# Altium PCB EL6905.PcbDoc (part 1 of 2) (continued)
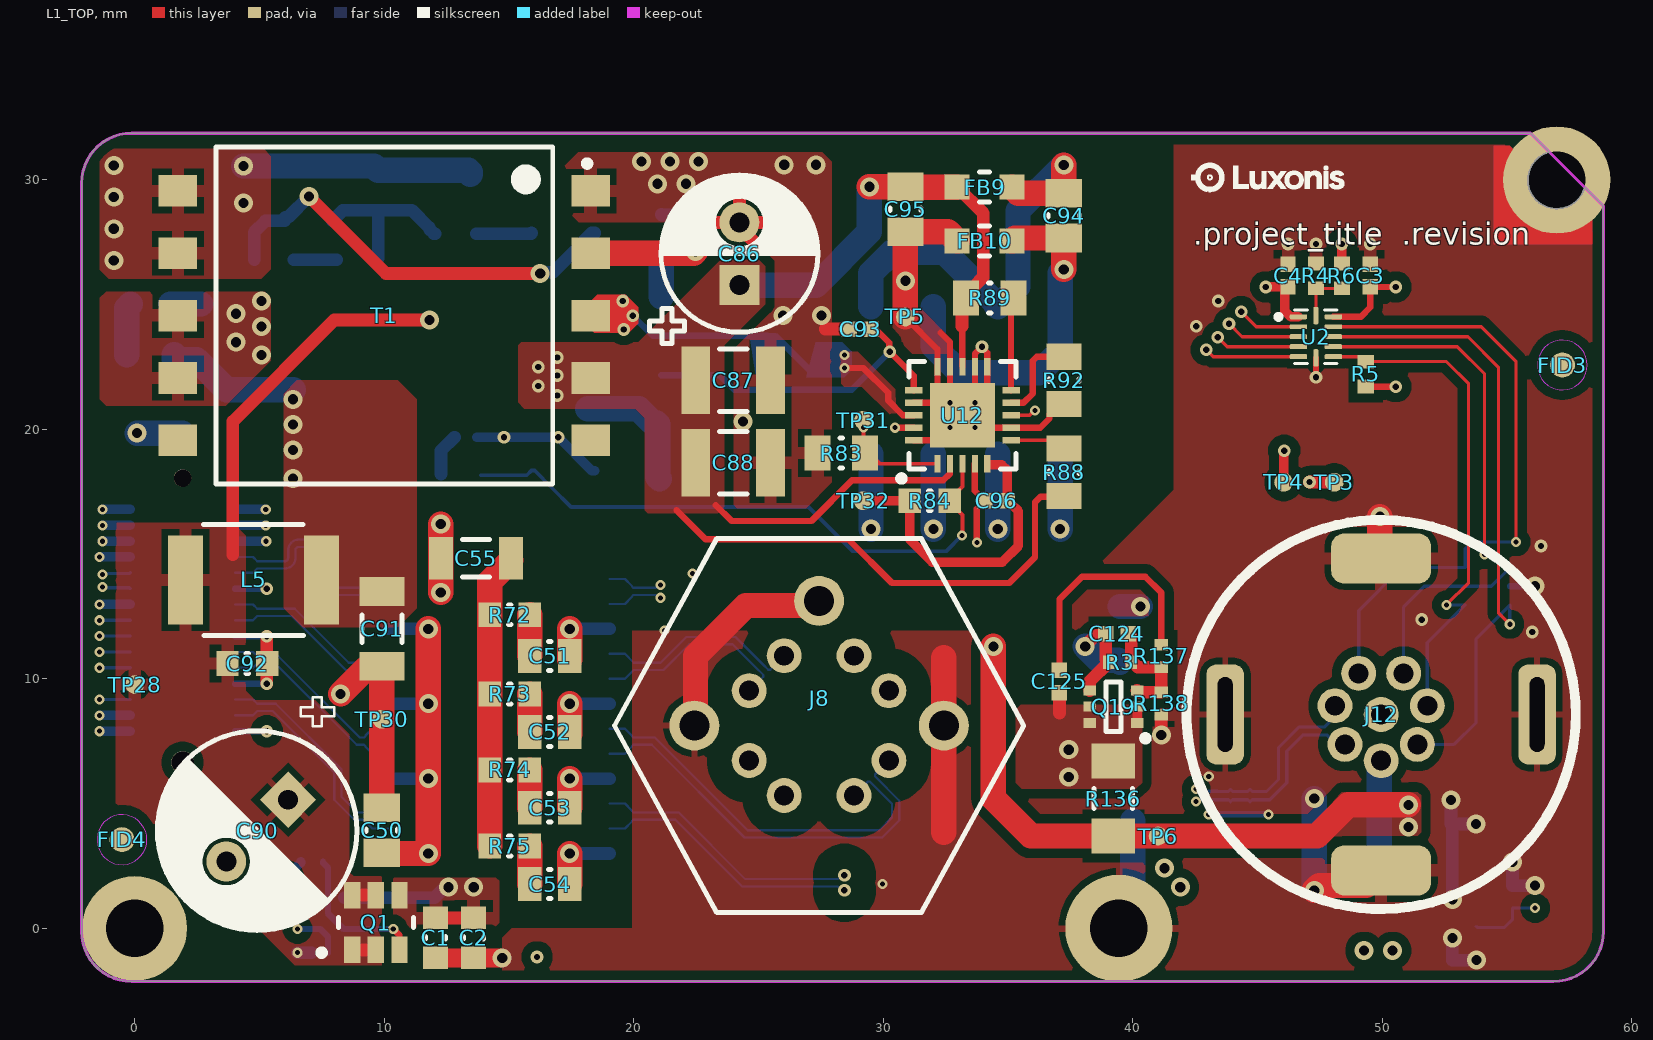
[diagram p0: L1_TOP view]
## Components (designator, comment, footprint, x,y, rotation, side; value= is the part's Value field where it differs from the comment)
C1 "GRM188R61A226ME15D" CAPC0603(1608)100_N 12.065,-0.381 r90 top value=22µF
C2 "GRM188R61A226ME15D" CAPC0603(1608)100_N 13.589,-0.381 r90 top value=22µF
C3 "CL05B104KO5NFNC" CAPC0402(1005)60_N 49.53,26.162 r90 top value=100nF
C4 "CL05B104KO5NFNC" CAPC0402(1005)60_N 46.228,26.162 r270 top value=100nF
C50 "CL21B104KCFNNNE" CAPC0805(2012)145_N 9.906,3.937 r270 top value=100nF
C51 "C0805C223M1RACAUTO" CAPC0805(2012)145_L 16.637,10.922 r0 top value=22nF
C52 "C0805C223M1RACAUTO" CAPC0805(2012)145_L 16.637,7.874 r0 top value=22nF
C53 "C0805C223M1RACAUTO" CAPC0805(2012)145_L 16.637,4.84 r0 top value=22nF
C54 "C0805C223M1RACAUTO" CAPC0805(2012)145_L 16.637,1.778 r0 top value=22nF
C55 "C1206C102KGRACTU" CAPC1206(3216)130_L 13.681,14.834 r0 top value=1nF
C84 "1nF 1206" CAPC1206(3216)190_N 13.366,22.856 r90 bottom
C85 "0.1UF 0805" CAPC0805(2012)145_N 21.864,20.062 r180 bottom
C86 "12uF 6.3mm" EEU-FC2A120 24.241,27.047 r90 top
C87 "1uF 1210" CAPC1210(3225)280_N 23.987,21.967 r180 top
C88 "1uF 1210" CAPC1210(3225)280_N 23.987,18.665 r180 top
C89 "1nF 0603 C0G" CAPC0603(1608)100_N 0.635,25.019 r0 bottom
C90 "ECA-0JM102" ECA-0JM102 4.909,3.919 r225 top value=1mF
C91 "100uF 1206" CAPC1206(3216)190_N 9.906,12.005 r90 top
C92 "22NF 0603" CAPC0603(1608)100_N 4.521,10.617 r180 top
C93 "1uF 0402" CAPC0402(1005)70_N 29.083,24.022 r0 top
C94 "0.1UF 0805" CAPC0805(2012)145_N 37.242,28.571 r90 top
C95 "0.1UF 0805" CAPC0805(2012)145_N 30.892,28.825 r90 top
C96 "0.1uF 0402" CAPC0402(1005)60_N 34.528,17.141 r0 top
C97 "10nF 0402" CAPC0402(1005)60_N 13.266,19.685 r180 bottom
C98 "GRM1885C1H222JA01D" CAPC0603(1608)100_N 5.588,26.797 r0 bottom value=2.2nF
C99 "1nF 1206" CAPC1206(3216)190_N 14.946,30.222 r180 bottom
C119 "GRM155R61E105KA12D" CAPC0402(1005)70_N 52.366,-1.27 r180 bottom value=1µF
C120 "C1210C107M8PACTU" FP-C1210C107M8PACTU-MFG 48.581,3.298 r180 bottom value=100µF
C121 "0.1uF 0402" CAPC0402(1005)70_N 52.308,4.187 r180 bottom
C124 "GRM155R61E105KA12D" CAPC0402(1005)70_N 39.37,11.811 r180 top value=1µF
C125 "CL05B104KO5NFNC" CAPC0402(1005)60_N 37.068,9.902 r270 top value=100nF
D1 "PESD5V0L4UG,115" PESD3V3L4UG,115 54.229,13.716 r180 bottom
D5 "CD-HD01" CD-H01 30.765,21.967 r180 bottom
D6 "CD-HD01" CD-H01 35.845,21.967 r180 bottom
D9 "PDS1040" PDS1040-13 8.763,20.828 r90 bottom
D10 "RS1B" RS1B 26.447,20.951 r90 bottom
D11 "1N4148W" 1N4148W-7-F 21.113,23.745 r90 bottom
D15 "TPD4EUSB30DQAR" TPD4EUSB30DQAR 44.314,4.572 r270 bottom
D20 "SD05-01FTG" SD05-01FTG-Footprint-1 39.497,12.903 r270 bottom
FB9 "700R/150Mhz" 742792040 34.067,29.714 r180 top
FB10 "700R/150Mhz" 742792040 34.067,27.555 r180 top
FID1 "FIDUCIAL_ROUND_1MM" FIDUCIAL_ROUND_1MM 53.086,28.829 r90 bottom
FID2 "FIDUCIAL_ROUND_1MM" FIDUCIAL_ROUND_1MM 3.658,-0.533 r90 bottom
FID3 "FIDUCIAL_ROUND_1MM" FIDUCIAL_ROUND_1MM 57.226,22.581 r90 top
FID4 "FIDUCIAL_ROUND_1MM" FIDUCIAL_ROUND_1MM -0.508,3.556 r90 top
J1 "55091-0374" CON_550910374 4.02,7.905 r90 bottom
J7 "749022310" 749022310 14.589,8.505 r270 bottom locked
J8 "12X-3103-08C" 12X-3103-08C 27.432,8.129 r180 top
J12 "08-3203-08-xxx" 08-3203-08-XXX 49.961,8.575 r180 top locked
L5 "1uH 2.9A" DO1608C-102MLx 4.763,13.97 r180 top
Q1 "IRLTS2242TRPBF" TSOP-6-MFG 9.667,0.236 r90 top
Q19 "NTJS4151PT1G" ONSC-SC70-6-419B-02_W_V 39.227,8.886 r180 top
R1 "ERJ8GEY0R00V" RESC3116X70X50ML13T20 44.552,-0.356 r0 bottom value=0
R2 "RC0402FR-07100KL" RESC0402(1005)_L 7.097,2.681 r180 bottom value=100k
R3 "RC0402FR-07100KL" RESC0402(1005)_L 39.497,10.668 r180 top value=100k
R4 "RC0402FR-1310KL" RESC0402(1005)_N 47.348,26.154 r90 top value=10k
R5 "RC0402FR-074K7L" RESC0402(1005)_N 49.348,22.217 r90 top value=4.7k
R6 "RC0402FR-1310KL" RESC0402(1005)_N 48.387,26.154 r90 top value=10k
R72 "ERJ-UP3F75R0V" RESC0603(1608)_N 15.037,12.573 r0 top value=75
R73 "ERJ-UP3F75R0V" RESC0603(1608)_N 15.037,9.398 r0 top value=75
R74 "ERJ-UP3F75R0V" RESC0603(1608)_N 15.037,6.35 r0 top value=75
R75 "ERJ-UP3F75R0V" RESC0603(1608)_N 15.037,3.302 r0 top value=75
R80 "18K 0603" RESC0603(1608)_N 21.837,18.03 r180 bottom
R81 "6.8R 0805" RESC0805(2012)_N 0.635,22.987 r0 bottom
R82 "10R 0603" RESC0603(1608)_N 21.113,27.813 r90 bottom
R83 "0.62R 0805" RESC0805(2012)_N 28.321,19.05 r180 top
R84 "4.99k 0603" RESC0603(1608)_N 31.861,17.141 r180 top
R85 "2.05k 0603" RESC0603(1608)_N 13.7,27.047 r270 bottom
R86 "0R 0603" RESC0603(1608)_N 13.081,18.161 r0 bottom
R87 "0R 0603" RESC0603(1608)_N 8.89,26.797 r180 bottom
R88 "24.3k 0805" RESC0805(2012)_N 37.242,18.284 r90 top
R89 "88.7K 0805" RESC0805(2012)_N 34.274,25.269 r0 top
R90 "36.5k 0603" RESC0603(1608)_N 12.049,27.047 r270 bottom
R91 "12.1k 0603" RESC0603(1608)_N 9.763,29.587 r270 bottom
R92 "48.7R 0805" RESC0805(2012)_N 37.242,21.967 r90 top
R106 "RC0402FR-07100KL" RESC0402(1005)_L 55.229,1.266 r90 bottom value=100k
R136 "ERJ8GEY0R00V" RESC3116X70X50ML13T20 39.227,5.203 r90 top value=0
R137 "CRCW0402470RFKED" RESC0402(1005)_L 41.148,10.922 r90 top value=470
R138 "ERJ-2RKF1782X" RESC0402(1005)_L 41.148,9.017 r90 top value=17.8k
T1 "749119950" 749119950 10.008,24.562 r270 top
TP1 "TP100_200_NS" TP075_150_NS 12.573,-0.762 r90 bottom
TP2 "TP100_200_NS" TP075_150_NS 43.052,1.956 r90 bottom
TP3 "TP100_200_NS" TP075_150_NS 48.082,17.882 r90 top
TP4 "TP100_200_NS" TP075_150_NS 46.05,17.882 r90 top
TP5 "TP100_200_NS" TP075_150_NS 30.892,24.507 r90 top
TP6 "TP100_200_NS" TP075_150_NS 41.021,3.703 r90 top
TP27 "TP100_200_NS" TP075_150_NS 26.527,25.777 r180 bottom
TP28 "TP100_200_NS" TP075_150_NS 0,9.775 r180 top
TP29 "TP100_200_NS" TP075_150_NS 23.399,22.221 r180 bottom
TP30 "TP100_200_NS" TP075_150_NS 9.906,8.382 r180 top
TP31 "TP100_200_NS" TP075_150_NS 29.21,20.371 r90 top
TP32 "TP100_200_NS" TP075_150_NS 29.194,17.141 r90 top
TP33 "TP100_200_NS" TP075_150_NS 26.527,28.19 r180 bottom
U1 "LM66100DCKR" LM66100DCKR 7.747,0.127 r90 bottom
U2 "LSF0204DRUTR" LSF0204DRUTR 47.348,23.716 r0 top
U12 "SI3404-A-GM" Si3404-A-GM 33.178,20.57 r90 top
U13 "VO618A-3X017T" VO618A-3X017T 17.176,23.11 r270 bottom
U14 "TLV431" TLV431BCDBZR 6.969,29.46 r90 bottom
U23 "AP22814AW5-7" AP22814AW5-7-Footprint-1 52.816,1.266 r270 bottom

## Footprints (in the part's own frame and the unit in brackets; to place one, negate y for a bottom-side part, rotate by r counter-clockwise, add the part's x,y. Pads: shape width x height; smd on the part's side, far side on the other; paste and mask are expansions set on the pad)
1N4148W-7-F [mm] "SOD123, 2-Leads, Body 2.7x1.55mm, Height 1.45mm"
  rect 0.9x0.95 smd: 1(-1.575,0) 2(1.575,0)
  silkscreen extent -2.4,-0.87 0,0.87, body extent -1.35,-0.77 1.35,0.77, height 1.45
08-3203-08-XXX [mm]
  round 1.4 hole 0.8 paste-10 mask+0.05: 1(-0.9,-1.65) 2(0.9,-1.65) 3(1.85,-0.35) 4(1.45,1.2) 5(0,1.85) 6(-1.45,1.2) 7(-1.85,-0.35) 8(0,0)
  rrect50% 4x2 smd paste-10 mask+0.05: 9(0,6.25) 11(0,-6.25)
  rrect50% 1.5x4 hole 0.6 slot 3 at 90 deg paste-10 mask+0.05: 10(6.25,0) 12(-6.25,0)
  silkscreen extent -7.8,-7.8 7.8,7.8, body extent -6.4,-6.4 6.4,6.4, height 15.53
12X-3103-08C [mm]
  round 1.4 hole 0.8 paste-10 mask+0.05: 1(-1.4,-2.8) 2(-2.8,-1.4) 3(-2.8,1.4) 4(-1.4,2.8) 5(1.4,2.8) 6(2.8,1.4) 7(2.8,-1.4) 8(1.4,-2.8)
  round 2 hole 1.2 paste-10 mask+0.05: 9(-5,0) 9(0,-5) 9(5,0)
  silkscreen extent -8.2,-7.5 8.2,7.5, body extent -8.25,-7.5 8.25,7.5, height 2.15
742792040 [mm] "Chip Inductor, 2-Leads, Body 2.0x1.2mm"
  rect 1x1 smd: 1(-1.1,0) 2(1.1,0)
  silkscreen extent -0.2,-0.6 0.2,0.6, body extent -1,-0.6 1,0.6, height 0.89
749022310 [mm] "SMT Transformer, body 16.5x10.3mm"
  rect 0.64x1.88 smd: 1(5.5,4.445) 2(4.5,4.445) 3(3.5,4.445) 4(2.5,4.445) 5(1.5,4.445) 6(0.5,4.445) 7(-0.5,4.445) 8(-1.5,4.445) 9(-2.5,4.445) 10(-3.5,4.445) 11(-4.5,4.445) 12(-5.5,4.445) 13(-5.5,-4.445) 14(-4.5,-4.445) 15(-3.5,-4.445) 16(-2.5,-4.445) 17(-1.5,-4.445) 18(-0.5,-4.445) 19(0.5,-4.445) 20(1.5,-4.445) 21(2.5,-4.445) 22(3.5,-4.445) 23(4.5,-4.445) 24(5.5,-4.445)
  silkscreen extent -8.37,-5.28 8.37,5.28, body extent -8.25,-5.15 8.25,5.15, height 4.1
749119950 [mm] "SMD, 10-Leads, Body 13.5x14.0mm (max), Pitch 2.48mm, IPC Medium Density"
  rect 1.27x1.55 smd: 1(-5,8.275) 2(-2.5,8.275) 3(0,8.275) 4(2.5,8.275) 5(5,8.275) 6(5,-8.275) 7(2.5,-8.275) 8(0,-8.275) 9(-2.5,-8.275) 10(-5,-8.275)
  silkscreen extent -6.75,-6.75 6.75,8.25, body extent -6.75,-8.88 6.75,8.87, height 12.6
AP22814AW5-7-Footprint-1 [mm]
  rrect14% 1.24x0.55 smd: 1(-1.185,0.95) 2(-1.185,0) 3(-1.185,-0.95) 4(1.185,-0.95) 5(1.185,0.95)
  silkscreen extent -1.6,-1.45 0.8,1.85, body extent -1.55,-1.48 1.64,1.42, height 0.94
CAPC0402(1005)60_N [mm] "Chip Capacitor, Body 1.0x0.5mm, Height 0.6mm, IPC Medium Density"
  rect 0.62x0.62 smd: 1(-0.45,0) 2(0.45,0)
  body extent -0.55,-0.3 0.55,0.3, height 0.6
CAPC0402(1005)70_N [mm] "Chip Capacitor, Body 1.0x0.5mm, Height 0.7mm, IPC Medium Density"
  rect 0.62x0.62 smd: 1(-0.45,0) 2(0.45,0)
  body extent -0.55,-0.3 0.55,0.3, height 0.7
CAPC0603(1608)100_N [mm] "Chip Capacitor, Body 1.6x0.8mm, Height 1.0mm, IPC Medium Density"
  rect 0.9x1 smd: 1(-0.8,0) 2(0.8,0)
  silkscreen extent -0.05,-0.4 0.05,0.4, body extent -0.87,-0.48 0.88,0.47, height 1
CAPC0805(2012)145_L [mm] "Chip Capacitor, Body 2.0x1.2mm, Height 1.45mm, IPC High Density"
  rect 0.95x1.35 smd: 1(-0.8,0) 2(0.8,0)
  silkscreen extent -0.05,-0.58 0.05,0.58, body extent -1.1,-0.72 1.1,0.72, height 1.45
CAPC0805(2012)145_N [mm] "Chip Capacitor, Body 2.0x1.2mm, Height 1.45mm, IPC Medium Density"
  rect 1.15x1.45 smd: 1(-0.9,0) 2(0.9,0)
  silkscreen extent -0.05,-0.62 0.05,0.63, body extent -1.1,-0.72 1.1,0.73, height 1.45
CAPC1206(3216)130_L [mm] "Chip Capacitor, Body 3.2x1.6mm, Height 1.3mm, IPC High Density"
  rect 0.95x1.7 smd: 1(-1.4,0) 2(1.4,0)
  silkscreen extent -0.55,-0.75 0.55,0.75, body extent -1.7,-0.9 1.7,0.9, height 1.3
CAPC1206(3216)190_N [mm] "Chip Capacitor, Body 3.2x1.6mm, Height 1.9mm, IPC Medium Density"
  rect 1.15x1.8 smd: 1(-1.5,0) 2(1.5,0)
  silkscreen extent -0.55,-0.8 0.55,0.8, body extent -1.7,-0.9 1.7,0.9, height 1.9
CAPC1210(3225)280_N [mm] "Chip Capacitor, Body 3.2x2.5mm, Height 2.8mm, IPC Medium Density"
  rect 1.15x2.7 smd: 1(-1.5,0) 2(1.5,0)
  silkscreen extent -0.55,-1.25 0.55,1.25, body extent -1.7,-1.4 1.7,1.4, height 2.8
CD-H01 [mm] "2 mm SMD Trimming Potentiometer  Specifications are subject to change without notice.  Users should verify actual device performance in their specific applications.  The products described herein and this document are subject to specific legal disclaimers as set forth on the last page of this document, and at www.bourns.com/docs/legal/disclaimer.pdf.  CD-HD0x Series Surface Mount Schottky Bridge Rectifier Diode"
  rect 1.2x1.2 smd: 1(1.25,2.95) 2(1.25,-2.95) 3(-1.25,-2.95) 4(-1.25,2.95)
  silkscreen extent -2.35,-3.08 2.43,3.53, body extent -2.37,-3.08 2.37,3.08, height 1.14
CON_550910374 [mm]
  rect 0.35x1.8 smd paste+0 mask+0.076: 1(0,0) 2(0.635,0) 3(1.27,0) 4(1.905,0) 5(2.54,0) 6(3.175,0) 7(3.81,0) 8(4.445,0) 9(5.08,0) 10(5.715,0) 11(6.35,0) 12(6.985,0) 13(7.62,0) 14(8.255,0) 15(8.89,0) 16(8.89,-4.2) 17(8.255,-4.2) 18(7.62,-4.2) 19(6.985,-4.2) 20(6.35,-4.2) 21(5.715,-4.2) 22(5.08,-4.2) 23(4.445,-4.2) 24(3.81,-4.2) 25(3.175,-4.2) 26(2.54,-4.2) 27(1.905,-4.2) 28(1.27,-4.2) 29(0.635,-4.2) 30(0,-4.2)
  round 0.9 hole 0.9 unplated mask+0.076: C1(-1.255,-2.1)
  round 0.7 hole 0.7 unplated mask+0.076: C2(10.145,-2.1)
  rect 2.5x2 smd paste+0 mask+0.076: P1(-3.055,-2.1) P2(11.945,-2.1)
  silkscreen extent -3.75,-4.7 12.64,0.5, body extent -3.75,-4.7 12.64,0.5, height 5.01
DO1608C-102MLx [mm] "Coil inductor 6.6x4.45mm"
  rect 1.4x3.56 smd: 1(-2.73,0) 2(2.73,0)
  silkscreen extent -2.01,-2.22 2.01,2.22, body extent -3.3,-2.22 3.3,2.23, height 2.92
ECA-0JM102 [mm] "Body diameter: 8mm, lead pitch: 3.5mm"
  rect 1.6x1.6 / inner round 1.6 / far side rect 1.6x1.6 hole 0.8 mask+0.05: 1(-1.75,0)
  round 1.6 hole 0.8 mask+0.05: 2(1.75,0)
  silkscreen extent -4,-4 4,4, body extent -4,-4 4,4, height 16
EEU-FC2A120 [mm] "Body diameter: 6.3mm, lead pitch: 2.5mm"
  rect 1.6x1.6 / inner round 1.6 / far side rect 1.6x1.6 hole 0.8 mask+0.05: 1(-1.25,0)
  round 1.6 hole 0.8 mask+0.05: 2(1.25,0)
  silkscreen extent -3.6,-3.15 3.15,3.6, body extent -3.15,-3.15 3.15,3.15, height 12
FIDUCIAL_ROUND_1MM [mm] "Round, 1mm dia"
  round 1 smd paste-1 mask+0.5: 1(0,0)
  L1_TOP keep-out circle w0.025: c0,0 r1
FP-C1210C107M8PACTU-MFG [mm]
  rect 1.2x2.7 smd paste+0 mask+0: 1(-1.3,0) 2(1.3,0)
  silkscreen extent -0.33,-1.4 0.33,1.4, body extent -1.6,-1.25 1.6,1.25, height 2.8
LM66100DCKR [mm] "SOT23, 6-Leads, Body 2.00x2.10mm, Pitch 0.65mm, IPC Medium Density"
  rect 0.85x0.35 smd: 1(-1.1,0.65) 2(-1.1,0) 3(-1.1,-0.65) 4(1.1,-0.65) 5(1.1,0) 6(1.1,0.65)
  silkscreen extent -1.22,-1.1 0.3,1.5, body extent -1.2,-1.07 1.2,1.07, height 1.1
LSF0204DRUTR [mm]
  rrect50% 0.7x0.2 smd mask+0.06: 1(-0.7,0.8) 2(-0.7,0.4) 3(-0.7,0) 4(-0.7,-0.4) 5(-0.7,-0.8) 7(0.7,-0.8) 8(0.7,-0.4) 9(0.7,0) 10(0.7,0.4) 11(0.7,0.8)
  rrect50% 0.2x0.7 smd mask+0.06: 6(0,-0.85) 12(0,0.85)
  silkscreen extent -1.6,-1.07 0.85,1.07, body extent -0.85,-1 0.85,1, height 0.55
ONSC-SC70-6-419B-02_W_V [mm] "SOT23, 6-Leads, Body 2x1.25mm, Pitch 0.65mm"
  rect 0.5x0.4 smd: 1(-0.95,0.65) 2(-0.95,0) 3(-0.95,-0.65) 4(0.95,-0.65) 5(0.95,0) 6(0.95,0.65)
  silkscreen extent -1.41,-1 0.3,1.39, body extent -1.05,-1 1.05,1, height 1.08
PDS1040-13 [mm] "Powerdi5 Diodes"
  rect 4.86x3.36 smd: 1(-1.126,0)
  rect 1.4x1.39 smd: 2(2.856,-0.92) 2(2.856,0.92)
  silkscreen extent -3.9,-1.68 -3.9,1.68, body extent -3.25,-1.98 3.25,1.99, height 1.12
PESD3V3L4UG,115 [mm] "5-TSSOP, SC-88, SOT-363"
  rect 0.6x0.6 smd mask+0.076: 1(-0.9,0.75) 3(-0.9,-0.75) 4(0.9,-0.75) 5(0.9,0.75)
  rect 0.6x0.4 smd mask+0.076: 2(-0.9,0)
  silkscreen extent -1.03,-1.08 0.25,1.57, body extent -1.1,-0.99 1.1,0.99, height 0.99
RESC0402(1005)_L [mm] "Chip Resistor, Body 1.0x0.5mm, IPC High Density"
  rect 0.45x0.55 smd: 1(-0.45,0) 2(0.45,0)
  body extent -0.52,-0.27 0.53,0.28, height 0.4
RESC0402(1005)_N [mm] "Chip Resistor, Body 1.0x0.5mm, IPC Medium Density"
  rect 0.55x0.65 smd: 1(-0.5,0) 2(0.5,0)
  body extent -0.52,-0.27 0.53,0.28, height 0.4
RESC0603(1608)_N [mm] "Chip Resistor, Body 1.6x0.8mm, IPC Medium Density"
  rect 0.9x1 smd: 1(-0.8,0) 2(0.8,0)
  silkscreen extent -0.05,-0.4 0.05,0.4, body extent -0.85,-0.47 0.85,0.47, height 0.6
RESC0805(2012)_N [mm] "Chip Resistor, Body 2.0x1.3mm, IPC Medium Density"
  rect 1.05x1.4 smd: 1(-0.95,0) 2(0.95,0)
  silkscreen extent -0.05,-0.6 0.05,0.6, body extent -1.1,-0.67 1.1,0.68, height 0.7
RESC3116X70X50ML13T20 [mm] "Chip Resistor, 2-Leads, Body 3.25x1.65mm, IPC Low Density"
  rect 1.4x1.75 smd: 1(-1.5,0) 2(1.5,0)
  silkscreen extent -0.4,-0.77 0.4,0.77, body extent -1.63,-0.82 1.63,0.82, height 0.7
RS1B [mil] "Molded Diode, 2-Leads, Body 4.30x2.59mm, IPC Medium Density"
  rect 70x85 smd: 1(-80,0) 2(80,0)
  silkscreen extent -130,-59 91,59, body extent -102,-54 102,54, height 106
SD05-01FTG-Footprint-1 [mil]
  rect 46x16 smd paste+0 mask+0: 1(0,0) 2(88,0)
  silkscreen extent 1,-34 86,34, body extent -9,-29 97,29, height 45
Si3404-A-GM [mm] "QFN, 20-Leads, Body 4.00x4.00mm, Pitch 0.50mm, Thermal Pad 2.60x2.60mm, IPC Medium Density"
  rect 0.7x0.25 smd: 1(-1.95,1) 2(-1.95,0.5) 3(-1.95,0) 4(-1.95,-0.5) 5(-1.95,-1) 11(1.95,-1) 12(1.95,-0.5) 13(1.95,0) 14(1.95,0.5) 15(1.95,1)
  rect 0.25x0.7 smd: 6(-1,-1.95) 7(-0.5,-1.95) 8(0,-1.95) 9(0.5,-1.95) 10(1,-1.95) 16(1,1.95) 17(0.5,1.95) 18(0,1.95) 19(-0.5,1.95) 20(-1,1.95)
  rect 2.6x2.6 smd paste-5: 21(0,0)
  silkscreen extent -2.66,-2.15 2.15,2.57, body extent -2,-2 2,2, height 0.9
TLV431BCDBZR [mm] "SOT-23-3"
  rrect18% 0.8x0.55 smd: 1(-1.1,0.95) 2(-1.1,-0.95) 3(1.1,0)
  silkscreen extent -1.22,-1.46 0.7,1.9, body extent -1.26,-1.46 1.26,1.46, height 0.96
TP075_150_NS [mm] "0.75mm dia pad, 1.5mm dia clearance, no silk screen"
  round 0.75 smd paste-2: 1(0,0)
TPD4EUSB30DQAR [mm] "TPD4EUSB30DQAR"
  rect 0.3x0.55 smd mask+0.05: 1(-1,-0.39) 2(-0.5,-0.39) 4(0.5,-0.39) 5(1,-0.39) 6(1,0.39) 7(0.5,0.39) 9(-0.5,0.39) 10(-1,0.39)
  rect 0.4x0.55 smd mask+0.05: 3(0,-0.39) 8(0,0.39)
  silkscreen extent -1.4,-1.01 1.4,0.5, body extent -1.2,-0.71 1.2,0.71, height 0.55
TSOP-6-MFG [mm]
  rect 1.06x0.65 smd: 1(-1.1,0.95) 2(-1.1,0) 3(-1.1,-0.95) 4(1.1,-0.95) 5(1.1,0) 6(1.1,0.95)
  silkscreen extent -1.33,-1.5 0.2,2.3, body extent -1.4,-1.45 1.4,1.45, height 1.45
VO618A-3X017T [mm] "4-SMD, Gull Wing"
  rect 1.52x1.78 smd: 1(-4.76,1.27) 2(-4.76,-1.27) 3(4.76,-1.27) 4(4.76,1.27)
  silkscreen extent -5.9,-2.29 2.8,2.7, body extent -5.08,-2.29 5.08,2.29, height 3.75

## Part data
C1 C2: library part CMP-108-000020-4, "CAP CER 22UF 10V X5R 0603 20%", Case/Package=0603, Dielectric=X5R, Manufacturer 1=Murata, Max Operating Temperature=85°C, Min Operating Temperature=-55°C, Tolerance=20%, Voltage Rating=10V, ComponentLink1Description=https://datasheet.ciiva.com/46444/1769893-46444975.pdf?src-supplier=Element14, ComponentLink1URL=https://datasheet.ciiva.com/46444/1769893-46444975.pdf?src-supplier=Element14, Depth=0.8mm, Design Item ID=GRM188R61A226ME15D, Height=0.8mm, Length=1.6mm, Manufacturer Part Number 1=GRM188R61A226ME15D, Mounting Technology=SMT, Width=0.8mm
C3 C4 C125: library part CMP-108-000002-6, "CAP CER 0.1UF 16V X7R 0402 10%", Case/Package=0402, Dielectric=X7R, Manufacturer 1=Samsung, Max Operating Temperature=125°C, Min Operating Temperature=-55°C, Tolerance=10%, Voltage Rating=16V, ComponentLink1Description=https://datasheet.ciiva.com/25767/cl05b104ko5nfnc-25767124.pdf?src-supplier=Digi-Key, ComponentLink1URL=https://datasheet.ciiva.com/25767/cl05b104ko5nfnc-25767124.pdf?src-supplier=Digi-Key, Depth=0.5mm, Design Item ID=CL05B104KO5NFNC, Height=0.5mm, Length=1mm, Manufacturer Part Number 1=CL05B104KO5NFNC, Mounting Technology=SMT, Width=0.02inch
C50: library part CMP-108-000003-5, "CAP CER 0.1UF 100V X7R 0805 10%", Case/Package=0805, Dielectric=X7R, Manufacturer 1=Samsung, Max Operating Temperature=125°C, Min Operating Temperature=-55°C, Tolerance=10%, Voltage Rating=100V, ComponentLink1Description=https://datasheet.ciiva.com/26936/getdatasheetpartid-781823-26936904.pdf?src-supplier=Verical, ComponentLink1URL=https://datasheet.ciiva.com/26936/getdatasheetpartid-781823-26936904.pdf?src-supplier=Verical, Depth=1.25mm, Design Item ID=CL21B104KCFNNNE, Length=2mm, Manufacturer Part Number 1=CL21B104KCFNNNE, Mounting Technology=SMT, Width=0.049inch
C51 C52 C53 C54: library part CMP-004-000002-5, "CAP CER 22nF 100V X7R 0805 20%", Capacitor Type=Ceramic, Case/Package=0805, Dielectric=X7R, Manufacturer 1=KEMET, Max Operating Temperature=125°C, Min Operating Temperature=-55°C, Tolerance=20%, Voltage Rating=100V, ComponentLink1Description=https://datasheet.ciiva.com:443/pdfs/VipMasterIC/IC/KEME/KEME-S-A0009891634/KEME-S-A0009891634-1.pdf?src-supplier=IHS+Markit, ComponentLink1URL=https://datasheet.ciiva.com:443/pdfs/VipMasterIC/IC/KEME/KEME-S-A0009891634/KEME-S-A0009891634-1.pdf?src-supplier=IHS+Markit, ComponentLink2Description=http://components.arrow.com/part/dataview/0323_00327945?src-supplier=Arrow+Europe, ComponentLink2URL=http://components.arrow.com/part/dataview/0323_00327945?src-supplier=Arrow+Europe, ComponentLink3Description=http://capacitoredge.kemet.com/capedge2/DataSheet/Datasheet-C0805C223M1RACAUTO.pdf?pn=C0805C223M1RACAUTO&src-supplier=Avnet, ComponentLink3URL=http://capacitoredge.kemet.com/capedge2/DataSheet/Datasheet-C0805C223M1RACAUTO.pdf?pn=C0805C223M1RACAUTO&src-supplier=Avnet, ComponentLink4Description=http://www.kemet.com/docfinder?Partnumber=C0805C223M1RACAUTO&src-supplier=Digi-Key, ComponentLink4URL=http://www.kemet.com/docfinder?Partnumber=C0805C223M1RACAUTO&src-supplier=Digi-Key, ComponentLink5Description=https://api.kemet.com/component-edge/download/datasheet/C0805C223M1RACAUTO.pdf?src-supplier=Digi-Key, ComponentLink5URL=https://api.kemet.com/component-edge/download/datasheet/C0805C223M1RACAUTO.pdf?src-supplier=Digi-Key, Design Item ID=C0805C223M1RACAUTO, Height=0.9mm, Length=2mm, Manufacturer Part Number 1=C0805C223M1RACAUTO, Mounting Technology=SMT, Width=1.25mm
C55: library part CMP-004-000001-5, "CAP CER 1nF 2000V X7R 1206 10%", Capacitor Type=Ceramic, Case/Package=1206, Dielectric=X7R, Manufacturer 1=KEMET, Max Operating Temperature=125°C, Min Operating Temperature=-55°C, Tolerance=10%, Voltage Rating=100V, ComponentLink1Description=https://datasheet.ciiva.com:443/pdfs/VipMasterIC/IC/KEME/KEME-S-A0007617657/KEME-S-A0007567533-1.pdf?src-supplier=IHS+Markit, ComponentLink1URL=https://datasheet.ciiva.com:443/pdfs/VipMasterIC/IC/KEME/KEME-S-A0007617657/KEME-S-A0007567533-1.pdf?src-supplier=IHS+Markit, ComponentLink2Description=https://datasheet.ciiva.com/18194/getdatasheetpartid-359031-18194095.pdf?src-supplier=Verical, ComponentLink2URL=https://datasheet.ciiva.com/18194/getdatasheetpartid-359031-18194095.pdf?src-supplier=Verical, ComponentLink3Description=https://datasheet.ciiva.com/28610/1372242-28610895.pdf?src-supplier=Element14, ComponentLink3URL=https://datasheet.ciiva.com/28610/1372242-28610895.pdf?src-supplier=Element14, ComponentLink4Description=https://datasheet.ciiva.com/28672/1807957-28672854.pdf?src-supplier=Element14, ComponentLink4URL=https://datasheet.ciiva.com/28672/1807957-28672854.pdf?src-supplier=Element14, Design Item ID=C1206C102KGRACTU, Height=1.6mm, Length=3.2mm, Manufacturer Part Number 1=C1206C102KGRACTU, Mounting Technology=SMT, Width=1.6mm
C84 C99: library part C1206C102KGRACTU, "CAP CER 1000PF 2KV X7R 1206", Capacitance=1nF, Case/Package=1206, Dielectric=X7R, Dielectric Material=Ceramic, Manufacturer 1=KEMET, Max Operating Temperature=125°C, Min Operating Temperature=-55°C, Supplier Part Number 1=399-4819-1-ND, Tolerance=10%, Voltage Rating (DC)=2kV, ComponentLink1Description=https://datasheet.ciiva.com/18194/getdatasheetpartid-359031-18194095.pdf?src-supplier=Verical, ComponentLink1URL=https://datasheet.ciiva.com/18194/getdatasheetpartid-359031-18194095.pdf?src-supplier=Verical, ComponentLink2Description=https://datasheet.ciiva.com/28610/1372242-28610895.pdf?src-supplier=Element14, ComponentLink2URL=https://datasheet.ciiva.com/28610/1372242-28610895.pdf?src-supplier=Element14, ComponentLink3Description=https://datasheet.ciiva.com/28672/1807957-28672854.pdf?src-supplier=Element14, ComponentLink3URL=https://datasheet.ciiva.com/28672/1807957-28672854.pdf?src-supplier=Element14, Depth=1.6mm, Height=1.6mm, Length=3.2mm, Manufacturer Part Number 1=C1206C102KGRACTU, Mount="Surface Mount", Packaging="Tape and Reel", Pricing 1="1=0.26000, 10=0.17500, 100=0.09940, 500=0.07014, 1000=0.06138 (USD)", Radiation Hardening=No, RoHS=Yes, Stock 1=54320, Supplier 1=Digi-Key, Supplier 2=Newark, Supplier 3=Newark, Supplier Part Number 2=01N5611, Supplier Part Number 3=68K2517
C85 C94 C95: library part CL21B104KCFNNNE, "CAP CER 0.1UF 100V X7R 0805", Capacitance=100nF, Case Code (Imperial)=0805, Case Code (Metric)=2012, Dielectric=X7R, Manufacturer 1=Samsung, Max Operating Temperature=125°C, Min Operating Temperature=-55°C, Supplier Part Number 1=1276-6840-1-ND, Tolerance=10%, Voltage Rating=100V, Case/Package=0805, ComponentLink1Description=https://datasheet.ciiva.com/26936/getdatasheetpartid-781823-26936904.pdf?src-supplier=Verical, ComponentLink1URL=https://datasheet.ciiva.com/26936/getdatasheetpartid-781823-26936904.pdf?src-supplier=Verical, Depth=1.25mm, Length=2mm, Manufacturer Part Number 1=CL21B104KCFNNNE, Mount="Surface Mount", Packaging="Tape and Reel", Pricing 1="1=0.10000, 10=0.06800, 100=0.03050, 500=0.02180, 1000=0.01712 (USD)", Radiation Hardening=No, RoHS=Yes, Stock 1=93036, Supplier 1=Digi-Key, Supplier 2=Newark, Supplier 3="Future Electronics", Supplier Part Number 2=82AC9430, Supplier Part Number 3=CL21B104KCFNNNE-CUTT, Thickness=0.053inch, Width=0.049inch
C86: library part EEU-FC2A120, "CAP ALUM 12UF 20% 100V RADIAL", Capacitance=12uF, Case/Package=Radial, ESR (Equivalent Series Resistance)=1.8R, Leakage Current=3uA, Manufacturer 1=Panasonic, Max Operating Temperature=105°C, Min Operating Temperature=-55°C, Package Quantity=200, Ripple Current=114mA, Supplier Part Number 1=P19496-ND, Tolerance=20%, Voltage=100V, ComponentLink1Description=https://datasheet.ciiva.com/11781/0900766b80becf93-11781011.pdf?src-supplier=RSComponents, ComponentLink1URL=https://datasheet.ciiva.com/11781/0900766b80becf93-11781011.pdf?src-supplier=RSComponents, ComponentLink2Description=https://datasheet.ciiva.com/2984/aba0000ce22-2984054.pdf?src-supplier=Avnet, ComponentLink2URL=https://datasheet.ciiva.com/2984/aba0000ce22-2984054.pdf?src-supplier=Avnet, ComponentLink3Description=https://datasheet.ciiva.com/17535/aba0000ce22-17535638.pdf?src-supplier=Avnet+Europe, ComponentLink3URL=https://datasheet.ciiva.com/17535/aba0000ce22-17535638.pdf?src-supplier=Avnet+Europe, ComponentLink4Description=https://datasheet.ciiva.com/48518/eeufc-eng-tds-48518663.pdf?src-supplier=Distrelec, ComponentLink4URL=https://datasheet.ciiva.com/48518/eeufc-eng-tds-48518663.pdf?src-supplier=Distrelec, ComponentLink5Description=https://datasheet.ciiva.com/24023/a-e-461514-24023994.pdf?src-supplier=Mouser, ComponentLink5URL=https://datasheet.ciiva.com/24023/a-e-461514-24023994.pdf?src-supplier=Mouser, Contact Plating=Tin, Diameter=6.3mm, Dissipation Factor=0.07%, Height=11.2mm, Height - Seated (Max)=0.48inch, Impedance=1.8R, Lead Diameter=0.5mm, Lead Pitch=2.5mm, Lead/Base Style=Straight, Length=11mm, Life (Hours)=1000Hour, Manufacturer Part Number 1=EEU-FC2A120, Mount="Through Hole", Packaging=Bulk, Polarity=Polar, Pricing 1="1=0.35000, 10=0.24500, 100=0.14670, 500=0.11002, 1000=0.09291, 2500=0.08802, 5000=0.08313 (USD)", Radiation Hardening=No, RoHS=Yes, Stock 1=297, Supplier 1=Digi-Key, Supplier 2=Newark, Supplier 3=Mouser, Supplier Part Number 2=47AC4895, Supplier Part Number 3=667-EEU-FC2A120, Termination=Radial, Voltage Rating=100V, Voltage Rating (DC)=100V
C87 C88: library part CL32B105KCJNNNE, "CAP CER 1UF 100V X7R 1210", Capacitance=1uF, Case Code (Imperial)=1210, Case Code (Metric)=3225, Dielectric=X7R, Manufacturer 1=Samsung, Max Operating Temperature=125°C, Min Operating Temperature=-55°C, Package Quantity=1, Supplier Part Number 1=1276-1812-1-ND, Tolerance=10%, Voltage Rating=100V, Case/Package=1210, ComponentLink1Description=https://datasheet.ciiva.com/26947/getdatasheetpartid-375850-26947031.pdf?src-supplier=Verical, ComponentLink1URL=https://datasheet.ciiva.com/26947/getdatasheetpartid-375850-26947031.pdf?src-supplier=Verical, ComponentLink2Description=https://datasheet.ciiva.com/16200/cl05b104kq5nnnc-16200037.pdf?src-supplier=Future+Electronics, ComponentLink2URL=https://datasheet.ciiva.com/16200/cl05b104kq5nnnc-16200037.pdf?src-supplier=Future+Electronics, Depth=2.5mm, Height=2.5mm, Lead Free="Lead Free", Length=3.2mm, Manufacturer Part Number 1=CL32B105KCJNNNE, Mount="Surface Mount", Packaging="Tape and Reel", Pricing 1="1=0.52000, 10=0.36100, 100=0.21650, 500=0.16236 (USD)", Radiation Hardening=No, RoHS=Yes, Stock 1=69046, Supplier 1=Digi-Key, Supplier 2=LCSC, Supplier 3="Future Electronics", Supplier Part Number 2=C444847, Supplier Part Number 3=CL32B105KCJNNNE-CUTT, Thickness=0.106inch, Voltage Rating (DC)=100V, Width=0.098inch
C89: library part GRM1885C1H102FA01D, "CAP CER 1000PF 50V C0G/NP0 0603", Capacitance=1nF, Case Code (Imperial)=0603, Case Code (Metric)=1608, Dielectric=C0G, Manufacturer=Murata, Max Operating Temperature=125°C, Min Operating Temperature=-55°C, Package Quantity=4000, Supplier Part Number 1=490-6376-1-ND, Temperature Coefficient=30ppm/°C, Tolerance=1%, Voltage=50V, Case/Package=0603, ComponentLink1Description=https://datasheet.ciiva.com/6072/1747444-6072454.pdf?src-supplier=Farnell, ComponentLink1URL=https://datasheet.ciiva.com/6072/1747444-6072454.pdf?src-supplier=Farnell, ComponentLink2Description=https://datasheet.ciiva.com/7828/1747444-7828892.pdf?src-supplier=Element14, ComponentLink2URL=https://datasheet.ciiva.com/7828/1747444-7828892.pdf?src-supplier=Element14, ComponentLink3Description=https://datasheet.ciiva.com/11621/c02e-11621692.pdf?src-supplier=Avnet, ComponentLink3URL=https://datasheet.ciiva.com/11621/c02e-11621692.pdf?src-supplier=Avnet, ComponentLink4Description=https://datasheet.ciiva.com/16624/c02e-16624140.pdf?src-supplier=Avnet+Europe, ComponentLink4URL=https://datasheet.ciiva.com/16624/c02e-16624140.pdf?src-supplier=Avnet+Europe, ComponentLink5Description=https://datasheet.ciiva.com/22698/1747444-22698428.pdf?src-supplier=Element14, ComponentLink5URL=https://datasheet.ciiva.com/22698/1747444-22698428.pdf?src-supplier=Element14, ComponentLink6Description=https://datasheet.ciiva.com/5416/c02e-5416637.pdf?src-supplier=Mouser, ComponentLink6URL=https://datasheet.ciiva.com/5416/c02e-5416637.pdf?src-supplier=Mouser, ComponentLink7Description=https://datasheet.ciiva.com/6270/partnumbering-e-01-6270573.pdf?src-supplier=Digi-Key, ComponentLink7URL=https://datasheet.ciiva.com/6270/partnumbering-e-01-6270573.pdf?src-supplier=Digi-Key, ComponentLink8Description=https://datasheet.ciiva.com/6270/partnumbering-e-01-6270574.pdf?src-supplier=Digi-Key, ComponentLink8URL=https://datasheet.ciiva.com/6270/partnumbering-e-01-6270574.pdf?src-supplier=Digi-Key, ComponentLink9Description=https://datasheet.ciiva.com/6270/partnumbering-e-01-6270575.pdf?src-supplier=Digi-Key, ComponentLink9URL=https://datasheet.ciiva.com/6270/partnumbering-e-01-6270575.pdf?src-supplier=Digi-Key, ComponentLink10Description=https://datasheet.ciiva.com/16426/l0005e-16426367.pdf?src-supplier=Future+Electronics, ComponentLink10URL=https://datasheet.ciiva.com/16426/l0005e-16426367.pdf?src-supplier=Future+Electronics, Depth=0.8mm, Height=0.8mm, Lead Free="Lead Free", Length=1.6mm, Manufacturer 1=Murata, Manufacturer Part Number=GRM1885C1H102FA01D, Manufacturer Part Number 1=GRM1885C1H102FA01D, Material=Ceramic, Mount="Surface Mount", Number of Pins=2, Packaging="Tape and Reel", Pricing 1="1=0.19000, 10=0.13300, 100=0.06260, 500=0.04386, 1000=0.03631 (USD)", Radiation Hardening=No, REACH SVHC="No SVHC", RoHS=Yes, Stock 1=343900, Supplier 1=Digi-Key, Termination=SMD/SMT, Thickness=0.035inch, Voltage Rating=50V, Voltage Rating (DC)=50V, Width=0.031inch
C90: library part CMP-108-000000-4, "CAP ALUM 1000UF 6.3V RADIAL 20%", Case/Package=Radial, Manufacturer 1=Panasonic, Max Operating Temperature=85°C, Min Operating Temperature=-40°C, Tolerance=20%, Voltage Rating=6.3V, ComponentLink1Description=https://datasheet.ciiva.com/11778/0900766b80f2e8a9-11778836.pdf?src-supplier=RSComponents, ComponentLink1URL=https://datasheet.ciiva.com/11778/0900766b80f2e8a9-11778836.pdf?src-supplier=RSComponents, ComponentLink2Description=https://datasheet.ciiva.com/16200/aba0000ce12-16200775.pdf?src-supplier=Future+Electronics, ComponentLink2URL=https://datasheet.ciiva.com/16200/aba0000ce12-16200775.pdf?src-supplier=Future+Electronics, ComponentLink3Description=https://datasheet.ciiva.com/17534/aba0000ce12-17534135.pdf?src-supplier=Avnet+Europe, ComponentLink3URL=https://datasheet.ciiva.com/17534/aba0000ce12-17534135.pdf?src-supplier=Avnet+Europe, ComponentLink4Description=https://datasheet.ciiva.com/24069/aba0000ce12-465472-24069879.pdf?src-supplier=Mouser, ComponentLink4URL=https://datasheet.ciiva.com/24069/aba0000ce12-465472-24069879.pdf?src-supplier=Mouser, ComponentLink5Description=https://datasheet.ciiva.com/46386/654936-46386263.pdf?src-supplier=Element14, ComponentLink5URL=https://datasheet.ciiva.com/46386/654936-46386263.pdf?src-supplier=Element14, ComponentLink6Description=https://datasheet.ciiva.com/2983/aba0000ce12-2983818.pdf?src-supplier=Avnet, ComponentLink6URL=https://datasheet.ciiva.com/2983/aba0000ce12-2983818.pdf?src-supplier=Avnet, ComponentLink7Description=https://datasheet.ciiva.com/16465/aba0000ce12-16465274.pdf?src-supplier=Avnet+Asia, ComponentLink7URL=https://datasheet.ciiva.com/16465/aba0000ce12-16465274.pdf?src-supplier=Avnet+Asia, ComponentLink8Description=https://datasheet.ciiva.com/15197/getdatasheetpartid-255691-15197835.pdf?src-supplier=Verical, ComponentLink8URL=https://datasheet.ciiva.com/15197/getdatasheetpartid-255691-15197835.pdf?src-supplier=Verical, ComponentLink9Description=https://datasheet.ciiva.com/92/aba0000ce12-92526.pdf?src-supplier=Digi-Key, ComponentLink9URL=https://datasheet.ciiva.com/92/aba0000ce12-92526.pdf?src-supplier=Digi-Key, ComponentLink10Description=https://datasheet.ciiva.com/30129/49aba0000ce12-30129310.pdf?src-supplier=Onlinecomponents.com, ComponentLink10URL=https://datasheet.ciiva.com/30129/49aba0000ce12-30129310.pdf?src-supplier=Onlinecomponents.com, Design Item ID=ECA-0JM102, Diameter=8mm, Height=11.5mm, Lead Diameter=0.6mm, Lead Pitch=3.5mm, Length=11.5mm, Manufacturer Part Number 1=ECA-0JM102, Mounting Technology=TH, Polarity=Polar